# Allegro board LAY_90818_C.brd (continued)
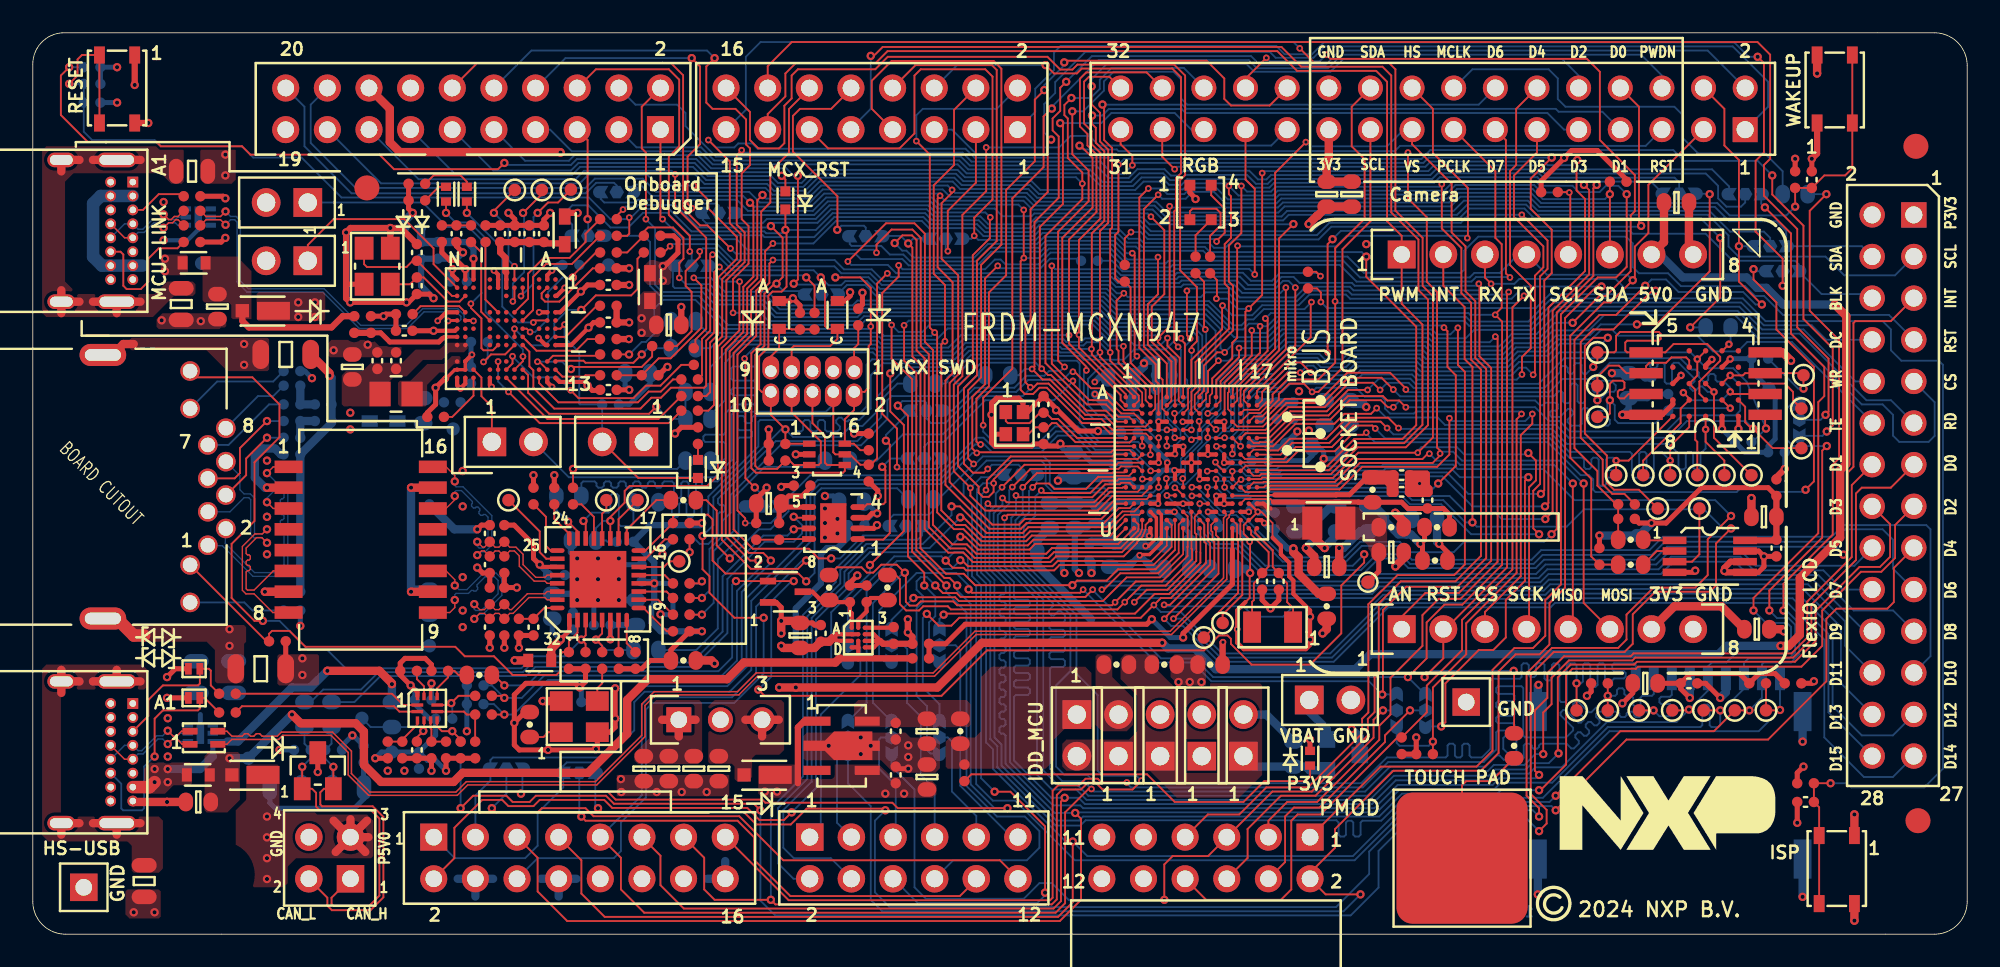
[diagram p0: board, top side]
## Routing (per net, layer and track width the routed paths; a pad name or vN(x,y) marks a point on that pad's centre or on a via; arc(x,y) is an arc through that point) (continued)
P1_7/ENET_TXD1: length 3.1
  TOP w0.112: v2(32.65,25.17) 33.23,24.59 U9.23
  BOTTOM w0.112: R162.1 31.94,25.88 v2(32.65,25.17)
P1_7/SMARTDMA_LCD_D3_CAMERA_D3: length 96.4
  TOP w0.102: U1.A2 67.17,32.8 66.61,33.36
  TOP w0.112: v2(64.61,49.95) 64.61,49.44 64.84,49.2 64.84,48.29 65.36,47.77 65.36,43.52 64.6,42.76 64.6,35.73 v1(64.58,35.71) 64.6,35.68 64.6,35.37 66.61,33.36
  BOTTOM w0.112: v2(64.61,49.95) 65.24,49.95 65.63,50.35 70.08,50.35 70.32,50.11 92.39,50.11 93.41,49.09 J9.9 ; R162.2 33.46,27.52 33.57,27.63 34.27,27.63 34.39,27.52 34.39,27.36 34.5,27.25 34.72,27.25 34.83,27.36 34.83,27.52 34.94,27.63 35.17,27.63 35.28,27.52 35.28,27.36 35.39,27.25 35.62,27.25 35.73,27.36 35.73,27.52 35.84,27.63 36.06,27.63 36.17,27.52 36.17,27.36 36.29,27.25 36.51,27.25 36.62,27.36 36.62,27.52 36.73,27.63 36.96,27.63 37.07,27.52 37.07,27.36 37.18,27.25 37.4,27.25 37.52,27.36 37.52,27.52 37.63,27.63 37.85,27.63 37.96,27.52 37.96,27.36 38.07,27.25 38.3,27.25 38.41,27.36 38.41,27.52 38.52,27.63 39,27.63 39.11,27.52 39.11,26.72 39.22,26.61 39.44,26.61 39.56,26.72 39.56,27.52 39.67,27.63 39.89,27.63 40,27.52 40,26.72 40.12,26.61 40.34,26.61 40.45,26.72 40.45,27.52 40.56,27.63 40.71,27.63 40.82,27.52 40.82,27.36 40.93,27.25 41.16,27.25 41.27,27.36 41.27,27.52 41.38,27.63 41.77,27.63 42.99,28.85 42.99,30.19 43.1,30.3 43.77,30.3 43.88,30.42 43.88,30.64 43.77,30.75 43.1,30.75 42.99,30.86 42.99,31.52 43.1,31.63 43.32,31.63 43.43,31.52 43.43,31.29 43.54,31.18 43.76,31.18 43.87,31.29 43.87,31.52 43.99,31.63 48.64,31.63 48.83,31.82 50.48,31.82 50.86,32.2 50.86,34.74 51.2,35.07 56.24,35.07 57,35.84 62.67,35.84 62.79,35.71 64.57,35.71 v1(64.58,35.71)
P1_8/FC4_P0_UART_RXD_MCULINK: length 48.2
  TOP w0.112: U1.A1 66.67,32.94 63.82,35.8 63.82,36.57 v1(63.82,36.57) 63.82,42.36 65.12,43.67 65.12,47.67 64.59,48.2 64.59,49 64.13,49.46 64.13,52.02 64.43,52.32 65.67,52.32 J9.32
  BOTTOM w0.112: v1(63.82,36.57) 63.43,36.96 55.81,36.96 55.12,36.27 51.83,36.27 51.64,36.46 42.04,36.46 41.34,35.75 R173.2
P1_9/FC4_P1_UART_TXD_MCULINK: length 53.7
  TOP w0.112: U1.B1 66.36,32.59 66.36,32.9 63.21,36.04 v1(63.21,36.55) 63.21,42.39 64.88,44.06 64.88,47.57 64.34,48.12 64.34,48.82 63.87,49.29 63.87,52.2 64.26,52.58 67.95,52.58 J9.30
  BOTTOM w0.112: v1(63.21,36.55) 63.21,36.55 56.61,36.55 55.85,35.79 51.63,35.79 51.44,35.98 43.34,35.98 42.23,34.87 42.23,32.58 41.34,31.69 R172.2
P1_10/CAN0_TXD: length 10.3
  TOP w0.112: v2(52.04,30.11) 52.28,29.87 52.28,24.47 51.88,24.08 50.73,24.08 50.69,24.11 U10.1
  BOTTOM w0.112: SJ16.1 52.04,30.46 v2(52.04,30.11)
P1_10/SMARTDMA_LCD_D6_CAMERA_D6: length 54.6
  TOP w0.112: v1(62.94,34.61) 62.93,34.61 62.55,34.99 62.55,42.87 64.41,44.73 64.41,46.59 63.41,47.59 63.41,50.21 v2(63.41,50.21)
  BOTTOM w0.112: v2(63.41,50.21) 64.08,50.21 65.34,51.47 65.34,52.03 65.93,52.62 69.59,52.62 70.04,52.17 70.04,50.99 70.42,50.61 88.2,50.61 J9.14 ; SJ16.3 56.07,31.94 57.47,33.34 59.88,33.34 60.61,34.07 61.7,34.07 62,34.37 62.69,34.37 62.93,34.61 v1(62.94,34.61)
P1_10/TSI0_CH19-HDR: length 35.7
  TOP w0.102: U1.C3 67.47,31.98 66.58,31.98 65.85,32.71
  TOP w0.112: v2(54.38,21.28) 54.38,22.06 53.39,23.05 53.39,31.63 v2(52.77,32.25) ; v1(63.45,34.32) 63.55,34.32 64.55,33.31 65.24,33.31 65.85,32.71
  BOTTOM w0.112: v1(63.45,34.32) 63.32,34.32 62.82,33.82 60.72,33.82 59.98,33.09 57.57,33.09 55.67,31.18 54.8,31.18 54.51,31.48 SJ16.2 54.51,32.42 54.4,32.53 53.05,32.53 v2(52.77,32.25) ; SJ20.3 54.85,16.65 54.67,16.83 54.67,19.03 55.05,19.41 55.05,20.6 v2(54.38,21.28)
P1_11: length 42.6
  TOP w0.102: 65.85,32.33 66.4,31.77 67.17,31.77 U1.D3
  TOP w0.112: v1(78.55,40.15) 78.28,40.42 R169.2 ; 65.85,32.33 65.59,32.58 64.67,32.58 64.66,32.59 64.44,32.59 63.45,33.58 v1(63.45,33.76) 63.21,33.76 62.16,34.81 v1(62.16,40.78)
  BOTTOM w0.112: v1(78.55,40.15) 78.36,40.34 76.07,40.34 75.59,39.87 74.31,39.87 73.82,40.36 69.81,40.36 69.66,40.21 66.37,40.21 66.01,40.57 62.37,40.57 v1(62.16,40.78) ; SJ26.2 54.38,29.75 54.67,30.04 55.56,30.04 58.1,32.58 62.3,32.58 63.45,33.73 v1(63.45,33.76)
P1_11/CAN0_RXD: length 5.9
  TOP w0.112: v2(51.81,28.52) 52.01,28.32 52.01,26.36 51.89,26.24 50.89,26.24 50.72,26.06 U10.4
  BOTTOM w0.112: SJ26.1 52.32,29.02 v2(51.81,28.52)
P1_11/I3C1_PUR: length 40.1
  TOP w0.112: v1(78.57,38.58) 78.57,39.16 78.33,39.4 R169.1 ; R53.1 97.09,26.86 96.35,26.86 95.76,27.45 95.76,28.95 94.42,30.29 94.42,36.14 95.19,36.9 96.42,36.9 98.78,39.26 v2(99,39.26)
  BOTTOM w0.112: v1(78.57,38.58) 78.95,38.2 91.69,38.2 92.54,39.05 98.79,39.05 v2(99,39.26)
P1_11/SMARTDMA_LCD_D7_CAMERA_D7: length 64.7
  TOP w0.112: J9.13 89.86,48.45 89.86,40.32 v1(90.11,40.07) ; v1(52.82,40.81) 52.82,40.12 51.82,39.12 51.82,31.75 52.72,30.85 v1(52.72,28.5)
  BOTTOM w0.112: v1(90.11,40.07) 90.08,40.1 88.04,40.1 87.76,39.82 80.75,39.82 79.73,40.83 69.53,40.83 69.38,40.69 66.57,40.69 65.67,41.59 62.09,41.59 61.37,40.87 59.34,40.87 59.04,41.17 58.69,41.17 58.09,40.57 53.06,40.57 v1(52.82,40.81) ; v1(52.72,28.5) 52.83,28.39 55.18,28.39 55.36,28.57 SJ26.3
P1_12/SMARTDMA_LCD_D8: length 75.1
  TOP w0.102: 65.85,31.94 66.23,31.56 66.88,31.56 U1.D2
  TOP w0.112: v2(63.36,51.02) 62.93,50.59 62.93,49.98 63.13,49.77 63.13,47.36 64.02,46.47 v1(64.02,45.8) 64.02,44.85 61.77,42.6 61.77,34.85 64.3,32.33 65.47,32.33 65.85,31.94
  BOTTOM w0.112: J9.28 70.21,52.86 65.81,52.86 65.09,52.14 65.09,51.58 64.53,51.02 v2(63.36,51.02) ; J2.11 28.08,46.6 32.83,46.6 33.29,47.06 40.38,47.06 41.18,46.25 45.04,46.25 45.46,45.84 46.9,45.84 47.69,46.64 56.41,46.64 56.86,46.19 63.63,46.19 v1(64.02,45.8)
P1_13/ENET_RXDV/MODE2: length 21.7
  TOP w0.112: R75.1 v2(40.07,23.31)
  BOTTOM w0.112: R163.1 52.74,33.6 51.75,32.61 51.75,31.55 50.29,30.09 45.32,30.09 41.79,26.56 41.79,26.31 41.91,26.19 42.11,26.19 42.23,26.08 42.23,25.86 42.11,25.75 41.91,25.75 41.79,25.64 41.79,24.4 41.21,23.82 40.68,23.82 40.4,24.1 R75.1 v2(40.07,23.31)
P1_13/SMARTDMA_LCD_D9: length 39.5
  TOP w0.102: 65.85,31.56 66.14,31.27 U1.D1
  TOP w0.112: v2(62.67,49.49) 62.84,49.32 62.84,44.55 61.43,43.15 61.43,34.61 v1(61.54,34.5) 61.93,34.11 62.12,34.11 64.29,31.94 65.47,31.94 65.85,31.56
  BOTTOM w0.112: J9.27 70.67,49.09 69.66,50.11 65.8,50.11 65.18,49.49 v2(62.67,49.49) ; v1(61.54,34.5) 61.17,34.87 57.85,34.87 56.58,33.6 56.35,33.6 56.24,33.71 56.24,33.99 56.13,34.1 55.91,34.1 55.79,33.99 55.79,33.71 55.68,33.6 R163.2
P1_14/ENET_RXD0/MODE0: length 27.7
  TOP w0.112: R79.1 v2(40.82,20.51)
  BOTTOM w0.112: R164.1 57.59,34.1 56.32,32.83 52.39,32.83 52.13,32.58 52.13,31.44 50.53,29.83 45.6,29.83 42.57,26.81 42.57,25.72 42.07,25.23 42.07,24.3 41.28,23.5 41.28,20.98 v2(40.82,20.51) R79.1
P1_14/SMARTDMA_LCD_D10: length 72.6
  TOP w0.102: U1.D4 67.88,30.97 66.06,30.97 65.85,31.18
  TOP w0.112: v2(63.04,52.01) 62.67,51.65 62.67,50.23 62.21,49.77 62.21,49.05 62.58,48.67 62.58,44.93 61.1,43.46 61.1,34.63 v1(60.96,34.48) 61.59,33.85 62.05,33.85 64.2,31.69 65.34,31.69 65.85,31.18
  BOTTOM w0.112: v2(63.04,52.01) 64.6,53.58 74.32,53.58 74.84,53.05 78.87,53.05 79.73,53.92 102.17,53.92 J9.2 ; R164.2 60.13,34.1 60.51,34.48 v1(60.96,34.48)
P1_15/ENET_RXD1/MODE1: length 15.9
  TOP w0.112: R80.1 v2(40.82,19.5)
  BOTTOM w0.112: R80.1 v2(40.82,19.5) 41.53,20.22 41.53,23.38 42.81,24.65 42.81,26.68 44.64,28.52 47.94,28.52 R165.1
P1_15/SMARTDMA_LCD_D11: length 90.4
  TOP w0.102: U1.E4 65.88,30.77 65.85,30.8
  TOP w0.112: v2(62.12,48.48) 61.91,48.27 61.91,45.28 60.86,44.23 60.86,37.47 60.54,37.15 60.54,33.68 v1(60.85,33.37) 61.05,33.37 61.28,33.6 61.96,33.6 64.12,31.44 65.19,31.44 65.83,30.8 65.85,30.8
  BOTTOM w0.112: J9.1 105.85,50.49 105.85,52.01 103.69,54.17 78.82,54.17 78.12,53.48 75.81,53.48 75.46,53.83 64.2,53.83 62.37,51.99 62.37,51.32 61.7,50.65 61.7,48.9 v2(62.12,48.48) ; v1(60.85,33.37) 60.85,33.3 60.39,32.83 57.85,32.83 55.51,30.5 53.08,30.5 51.48,28.9 R165.2
P1_16/I3C1_SDA: length 85.6
  TOP w0.102: U1.F6 v1(69.17,29.79)
  TOP w0.112: v1(70.6,36.35) 70.4,36.54 v1(70.4,39.26) ; 101.92,51.63 103.19,50.36 103.19,48.12 104.08,47.24 v2(104.08,41.98) 104.08,39.82 v2(105.47,38.42) ; R55.1 R52.1 R53.2 96.58,26.23 95.44,27.37 95.44,28.26 94.04,29.66 94.04,36.26 95.57,37.79 96.58,37.79 v2(98.36,39.56) ; v1(88.96,39.68) 88.96,39.69 88.58,40.06 J5.3
  BOTTOM w0.102: v1(69.17,29.79) 69.66,29.79 70.01,30.14 70.01,30.73 69.23,31.52 69.23,31.96 69.59,32.33 69.95,32.33 70.42,32.8 70.42,33.8
  BOTTOM w0.112: 70.42,33.8 70.28,33.95 70.28,35.87 70.6,36.19 v1(70.6,36.35) ; SJ14.3 v2(104.08,41.98) ; v2(105.47,38.42) 105.09,38.42 104.33,39.18 100.39,39.18 99.63,39.95 98.74,39.95 v2(98.36,39.56) 98.23,39.44 97.09,39.44 96.55,39.98 90.67,39.98 90.38,39.68 v1(88.96,39.68) 88.56,39.28 80.56,39.28 80.34,39.5 77.66,39.5 77.01,38.85 73.63,38.85 73.08,39.4 70.55,39.4 v1(70.4,39.26)
P1_17/I3C1_SCL: length 119.3
  TOP w0.102: 65.85,30.55 67.9,30.55 U1.F4
  TOP w0.112: 101.92,49.09 98.55,45.72 98.55,42.78 97.73,41.95 97.73,40.03 v2(97.6,39.9) 96.25,38.55 95.83,38.55 93.79,36.51 93.79,29.07 95.07,27.79 95.07,23.05 95.57,22.55 R56.1 ; v1(60.45,44.19) 60.45,41.26 v1(60.45,41.26) 60.26,41.06 60.26,33.21 60.51,32.96 61.02,32.96 61.4,33.34 61.86,33.34 64.02,31.18 65.09,31.18 65.72,30.55 65.85,30.55
  BOTTOM w0.112: SJ15.3 34.64,44.86 34.86,44.64 36.74,44.64 36.91,44.81 42.95,44.81 43.62,44.14 47.58,44.14 48.4,44.95 54.86,44.95 55.29,44.51 60.13,44.51 v1(60.45,44.19) ; v2(97.6,39.9) 97.26,40.24 92.36,40.24 J5.4 90.62,41.47 89.49,40.35 87.93,40.35 87.65,40.07 80.96,40.07 79.95,41.09 69.28,41.09 69.11,40.93 66.67,40.93 65.77,41.83 61.99,41.83 61.42,41.26 v1(60.45,41.26)
P1_18/SMARTDMA_LCD_D14_CAMERA_PDOWN: length 74
  TOP w0.102: U1.G4 v1(68.17,29.25)
  TOP w0.112: v2(62.16,50.37) 62.13,50.37 61.66,49.9 61.66,46.8 59.75,44.9 59.75,34.51 57.97,32.73 v1(57.97,31.06)
  BOTTOM w0.112: v2(62.16,50.37) 62.16,50.48 65.02,53.34 74.17,53.34 74.68,52.84 79.01,52.84 79.84,53.66 98.11,53.66 99.38,52.39 J9.6 ; v1(68.17,29.25) 67.69,29.25 67.15,29.79 64.94,29.79 63.74,30.98 62.36,30.98 61.29,29.91 58.73,29.91 57.97,30.67 v1(57.97,31.06)
P1_19/SMARTDMA_LCD_D15_CAMERA_RST: length 59.9
  TOP w0.102: U1.G5 v1(68.67,30.29)
  TOP w0.112: v1(64.27,34.4) 64.27,34.63 62.8,36.1 62.8,42.49 64.65,44.33 64.65,47.37 63.9,48.11 v2(63.85,48.11)
  BOTTOM w0.112: v1(68.67,30.29) 68.46,30.29 67.32,31.44 64.71,31.44 64.12,32.03 64.12,34.25 v1(64.27,34.4) ; v2(63.85,48.11) 64.08,47.88 66.13,47.88 66.23,47.78 83.08,47.78 83.4,48.1 98.39,48.1 J9.5
P1_20/ENET_MDC: length 36.3
  TOP w0.102: U1.K5 v1(68.19,28.27)
  TOP w0.112: v2(42.52,22.93) 41.72,23.73 41.72,25.85 41.08,26.48 R191.1
  BOTTOM w0.112: v2(42.52,22.93) 44.29,24.71 45,24.71 46.1,25.8 46.1,26.67 47.42,28 55.23,28 57.53,30.29 57.99,30.29 58.63,29.66 61.4,29.66 62.41,30.67 63.69,30.67 64.81,29.56 67.06,29.56 68.19,28.43 v1(68.19,28.27)
P1_21/ARD_D5: length 58.3
  TOP w0.112: U1.L5 v1(68.67,27.27) ; v1(57.39,28.69) 57.05,29.03 57.05,33.18 57.85,33.98 57.85,40.83 59.09,42.07 59.09,52.8 58.61,53.28 52.39,53.28 51.18,52.07 51.18,50.36 J1.7
  BOTTOM w0.112: v1(68.67,27.27) 68.67,27.27 68.35,26.95 65.63,26.95 65.38,27.21 62.34,27.21 62.04,27.51 62.04,28.77 61.66,29.15 57.95,29.15 57.49,28.69 v1(57.39,28.69) 55.24,26.53 R166.2 54.93,25.85 54.67,25.59 52.51,25.59 52.3,25.38 SJ3.1
P1_21/ENET_MDIO: length 26.1
  TOP w0.112: v2(47.18,21.53) 46.7,22.01 42.26,22.01 41.46,22.8 41.46,25.32 41.18,25.59 39.18,25.59 39.05,25.47 R155.2 37.37,23.41 U9.16
  BOTTOM w0.112: R166.1 52.73,27.21 48.11,27.21 47.69,26.79 47.69,22.04 v2(47.18,21.53)
P1_22/SMARTDMA_LCD_DC: length 102.4
  TOP w0.102: U1.L4 v1(67.69,27.77)
  TOP w0.112: v1(57.82,29.88) 57.74,29.88 57.56,30.06 57.56,32.68 58.32,33.44 58.32,39.15 59.38,40.21 59.38,45.41 61.12,47.16 61.12,50.92 v2(61.7,51.5) ; J9.24 75.45,50.56 73.09,50.56 72.68,50.97 72.68,52.21 71.6,53.3 63.02,53.3 v2(62.92,53.19)
  BOTTOM w0.112: v2(61.7,51.5) 61.7,51.8 62.92,53.02 v2(62.92,53.19) ; J3.3 27,8.46 27.91,9.38 SJ9.3 27.91,10.62 28.07,10.78 34.55,10.78 36.21,12.44 36.21,14.37 36.97,15.14 42.36,15.14 43.54,16.31 43.54,20.51 47.18,24.15 47.18,27.01 47.88,27.72 55.31,27.72 57.48,29.88 v1(57.82,29.88) 58.05,29.88 58.52,29.4 61.5,29.4 62.52,30.42 63.56,30.42 64.65,29.33 66.96,29.33 67.69,28.61 v1(67.69,27.77)
P1_23/ARD_D3: length 56.2
  TOP w0.102: U1.M4 67.65,26.74 65.85,26.74
  TOP w0.112: 65.85,26.74 64.96,25.85 58.1,25.85 57.19,26.76 v1(57.19,27.23) 57.19,27.24 56.18,28.25 56.18,33.53 56.7,34.05 56.7,43.88 58.16,45.34 v1(58.16,48)
  BOTTOM w0.112: SJ1.1 58.51,28.03 58.36,27.88 57.84,27.88 v1(57.19,27.23) ; J9.23 75.55,48.12 65.04,48.12 64.45,48.71 63.31,48.71 62.6,48 v1(58.16,48)
P2_0/SMARTDMA_LCD_WR: length 19.1
  TOP w0.112: v1(74.54,40.25) 74.54,45.48 73.98,46.04 J9.25
  BOTTOM w0.112: R167.1 65.83,41.09 66.47,40.45 69.56,40.45 69.71,40.6 74.2,40.6 v1(74.54,40.25)
P2_0/TRIG_IN5-MC_ENC_B: length 78.4
  TOP w0.102: U1.H2 66.9,29.54 65.92,29.54 65.85,29.47
  TOP w0.112: v1(58.86,40.78) 58.09,40 58.09,33.56 57.31,32.78 57.31,29.64 v1(57.58,29.36) 57.62,29.41 65.78,29.41 65.85,29.47
  BOTTOM w0.112: v1(57.58,29.36) 57.32,29.36 55.42,27.46 47.99,27.46 47.43,26.91 47.43,23.94 43.83,20.34 43.83,16.12 42.5,14.79 37.32,14.79 36.69,14.16 36.69,12.44 34.73,10.48 32.57,10.48 32.36,10.27 SJ8.3 32.36,8.96 30.8,7.4 30.8,5.4 30.03,4.64 25.74,4.64 J3.1 ; R167.2 63.82,41.22 62.05,41.22 61.47,40.63 59.01,40.63 v1(58.86,40.78)
P2_1/SDHC0_CD_B: length 87.1
  TOP w0.102: 65.85,29.15 65.97,29.27 U1.H1
  TOP w0.112: v2(106.58,13.68) 106.55,13.66 TP27.1 R57.2 ; v1(58.14,27.1) 58.2,27.16 58.2,27.69 59.66,29.15 65.85,29.15 65.85,29.15
  BOTTOM w0.112: v1(58.14,27.1) 57.85,26.81 57.85,22.06 58.41,21.5 58.41,11.9 58.84,11.47 58.84,10.19 62.39,6.63 63.9,6.63 64.22,6.95 79.52,6.95 79.66,6.81 79.66,6.07 79.77,5.96 79.99,5.96 80.1,6.07 80.1,6.81 80.21,6.93 80.44,6.93 80.55,6.81 80.55,6.07 80.66,5.96 80.89,5.96 81,6.07 81,6.81 81.11,6.93 82.26,6.93 83.65,8.32 92.12,8.32 96.18,12.39 105.28,12.39 v2(106.58,13.68) J12.9
P2_2/CAMERA_CLKIN: length 26.1
  BOTTOM w0.112: R168.1 106.74,46.55 105.65,47.64 101.59,47.64 100.67,48.56 100.67,49.95 100.14,50.49 93.49,50.49 93.03,50.95 93.03,52.21 92.47,52.77 87.82,52.77 J9.16
P2_2/PWM1_A2: length 195.8
  TOP w0.102: U1.H3 67.4,29 66.08,29 65.98,28.9 65.85,28.9
  TOP w0.112: v2(104.71,13.66) TP5.1 102.55,12.39 96.84,12.39 v2(92.9,8.45) ; J3.7 32.08,5.9 33.46,4.51 33.46,2.48 34.89,1.06 62.54,1.06 63.44,1.95 v2(63.44,5.66) ; v2(109.41,45.15) 108.39,44.14 108.39,38.04 110.19,36.25 110.19,29.04 109.8,28.65 109.8,24.38 106.79,21.38 v2(106.79,19.75) ; 65.85,28.9 59.76,28.9 58.61,27.75 v1(58.61,27.51) 58.61,26.98 58.31,26.69 57.95,26.69 57.69,26.94 57.69,27.31 56.44,28.57 56.44,33.42 57.34,34.33 57.34,41.43 58.38,42.47 58.38,43.71 v1(58.41,43.74)
  BOTTOM w0.112: SJ7.3 40.87,43.59 41.08,43.37 44.51,43.37 44.78,43.64 47.77,43.64 48.59,44.47 54.63,44.47 55.06,44.04 58.11,44.04 v1(58.41,43.74) ; R168.2 v2(109.41,45.15) ; v2(104.71,13.66) 105.48,14.43 J12.8 105.48,16.47 105.59,16.58 107.25,16.58 107.76,17.09 107.76,18.97 106.97,19.75 v2(106.79,19.75) ; v1(58.61,27.51) 57.96,27.51 57.6,27.14 57.6,21.95 58.15,21.39 58.15,11.7 58.58,11.27 58.58,10.08 63.01,5.66 v2(63.44,5.66) 64.32,4.77 80.53,4.77 83.83,8.07 92.52,8.07 v2(92.9,8.45)
P2_3/PWM1_B2: length 154.4
  TOP w0.102: U1.J3 66.23,28.77 66.1,28.64 65.85,28.64
  TOP w0.112: v2(109.43,29.79) 109.16,29.51 109.16,24.2 105.93,20.97 v2(105.93,19.75) ; J3.5 30.8,4.67 30.8,2.61 32.6,0.8 62.65,0.8 63.94,2.1 63.94,7.04 v2(63.59,7.4) ; v1(59.12,27.27) 60.5,28.64 65.85,28.64 ; TP4.1 v2(102.93,13.66)
  BOTTOM w0.112: SJ4.3 107.29,32.36 107,32.07 107,30.17 107.38,29.79 v2(109.43,29.79) ; v1(59.12,27.27) 58.74,26.89 58.74,26.17 58.36,25.79 58.36,22.27 59.34,21.28 59.34,20.85 59.23,20.73 59.08,20.73 58.96,20.62 58.96,20.4 59.08,20.29 59.23,20.29 59.34,20.18 59.34,19.95 59.23,19.84 59.08,19.84 58.96,19.73 58.96,19.51 59.08,19.39 59.23,19.39 59.34,19.28 59.34,19.06 59.23,18.95 59.08,18.95 58.96,18.83 58.96,18.61 59.08,18.5 59.23,18.5 59.34,18.39 59.34,18.16 59.23,18.05 59.08,18.05 58.96,17.94 58.96,17.72 59.08,17.61 59.23,17.61 59.34,17.49 59.34,17.27 59.23,17.16 59.08,17.16 58.96,17.05 58.96,16.82 59.08,16.71 59.23,16.71 59.34,16.6 59.34,16.38 59.23,16.26 59.08,16.26 58.96,16.15 58.96,15.93 59.08,15.82 59.23,15.82 59.34,15.71 59.34,15.48 59.23,15.37 59.08,15.37 58.96,15.26 58.96,15.03 59.08,14.92 59.23,14.92 59.34,14.81 59.34,14.59 59.23,14.48 59.08,14.48 58.96,14.36 58.96,14.14 59.08,14.03 59.23,14.03 59.34,13.92 59.34,13.69 59.23,13.58 59.08,13.58 58.96,13.47 58.96,13.25 59.08,13.14 59.23,13.14 59.34,13.02 59.34,12.8 59.23,12.69 59.08,12.69 58.96,12.58 58.96,12.35 59.08,12.24 59.23,12.24 59.34,12.13 59.34,10.4 62.34,7.4 v2(63.59,7.4) 63.62,7.43 81.98,7.43 83.37,8.83 89.13,8.83 89.55,9.25 92.68,9.25 96.08,12.64 101.73,12.64 101.84,12.75 101.84,13.9 101.95,14.01 102.18,14.01 102.29,13.9 102.29,12.75 102.4,12.64 102.82,12.64 102.93,12.75 v2(102.93,13.66) 103.06,13.66 104.38,14.98 J12.7 104.38,16.55 104.66,16.83 107.14,16.83 107.5,17.19 107.5,18.88 107.1,19.29 106.39,19.29 v2(105.93,19.75)
P2_4/PWM1_A1: length 159.8
  TOP w0.102: 65.85,28.39 66.23,28.39 66.38,28.54 67.4,28.54 U1.K3
  TOP w0.112: v2(105.66,44.35) 107.25,42.75 107.25,36.64 109.28,34.61 109.28,32.83 108.92,32.47 108.92,24.47 104.96,20.51 v2(104.96,19.75) ; v2(62.95,8.32) 62.72,8.1 62.72,2.02 62.27,1.57 39.71,1.57 38.29,2.99 38.29,4.79 J3.11 ; v1(59.75,27.28) 60.86,28.39 65.85,28.39 ; v2(101.03,13.71) 100.98,13.66 TP26.1
  BOTTOM w0.112: v2(104.96,19.75) 105.73,18.99 107.01,18.99 107.25,18.75 107.25,17.47 106.87,17.09 103.82,17.09 103.31,16.58 102.42,16.58 102.18,16.33 J12.5 102.18,14.86 v2(101.03,13.71) 100.27,12.95 96.02,12.95 93.26,10.18 91.65,10.18 91.27,9.8 89.35,9.8 88.94,9.39 83.14,9.39 81.69,7.94 64.18,7.94 63.79,8.32 v2(62.95,8.32) 62.14,8.32 59.85,10.61 59.85,14.49 59.96,14.6 60.71,14.6 60.82,14.71 60.82,14.94 60.71,15.05 59.96,15.05 59.85,15.16 59.85,15.38 59.96,15.49 60.71,15.49 60.82,15.61 60.82,15.83 60.71,15.94 59.96,15.94 59.85,16.05 59.85,16.28 59.96,16.39 60.71,16.39 60.82,16.5 60.82,16.72 60.71,16.84 59.96,16.84 59.85,16.95 59.85,17.17 59.96,17.28 60.71,17.28 60.82,17.39 60.82,17.62 60.71,17.73 59.96,17.73 59.85,17.84 59.85,18.06 59.96,18.18 60.71,18.18 60.82,18.29 60.82,18.51 60.71,18.62 59.96,18.62 59.85,18.74 59.85,18.96 59.96,19.07 60.71,19.07 60.82,19.18 60.82,19.41 60.71,19.52 59.96,19.52 59.85,19.63 59.85,19.85 59.96,19.96 60.71,19.96 60.82,20.08 60.82,20.3 60.71,20.41 59.96,20.41 59.85,20.52 59.85,21.49 58.87,22.48 58.87,25.57 59.56,26.27 59.56,27.09 v1(59.75,27.28) ; SJ5.3 105.43,44.57 v2(105.66,44.35)
P2_5/PWM1_B1: length 173.8
  TOP w0.102: U1.K1 66.58,28.18 65.89,28.18 65.85,28.13
  TOP w0.112: v1(60.39,27.27) 61.25,28.13 65.85,28.13 ; J3.9 35.88,4.67 35.88,2.73 37.3,1.31 62.39,1.31 62.97,1.89 62.97,7.44 64.4,8.86 v1(64.58,8.86) ; TP25.1 v2(98.87,13.66) ; v2(47.18,22.8) 46.67,22.29 43.8,22.29 42.03,24.07 42.03,35.76 42.58,36.3 42.58,36.32 43.1,36.84 43.1,39.81 v1(43.12,39.82)
  BOTTOM w0.112: v1(60.39,27.27) 60.39,25.7 59.94,25.26 59.94,22.48 62.24,20.18 62.24,20.02 61.99,19.78 61.99,19.6 62.14,19.45 62.3,19.45 62.55,19.71 62.71,19.71 62.96,19.46 62.96,19.13 62.85,19.02 62.12,19.02 62.01,18.91 62.01,18.68 62.12,18.57 62.85,18.57 62.96,18.46 62.96,18.24 62.85,18.13 62.12,18.13 62.01,18.01 62.01,17.79 62.12,17.68 62.85,17.68 62.96,17.57 62.96,17.34 62.85,17.23 62.12,17.23 62.01,17.12 62.01,16.9 62.12,16.78 62.85,16.78 62.96,16.67 62.96,16.42 62.85,16.31 62.15,16.31 62.04,16.2 62.04,10.1 62.8,9.34 64.1,9.34 v1(64.58,8.86) 64.74,8.7 81.27,8.7 82.8,10.23 88.63,10.23 89.31,10.91 89.47,10.91 89.73,10.65 89.89,10.65 90.05,10.8 90.05,10.96 89.7,11.31 89.7,11.97 89.81,12.08 90.39,12.08 90.5,11.97 90.5,10.77 90.61,10.66 90.84,10.66 90.95,10.77 90.95,11.51 91.06,11.62 91.32,11.62 91.43,11.51 91.43,11.43 91.54,11.32 91.77,11.32 91.88,11.43 91.88,11.51 91.99,11.62 93.56,11.62 93.85,11.34 94.01,11.34 94.31,11.64 94.31,11.79 94.1,12 94.1,12.16 94.25,12.32 94.41,12.32 94.62,12.11 94.78,12.11 94.94,12.27 94.94,12.43 94.73,12.64 94.73,12.79 94.89,12.95 95.04,12.95 95.26,12.74 95.41,12.74 95.57,12.9 95.57,13.06 95.36,13.27 95.36,13.43 95.52,13.58 95.77,13.58 95.88,13.47 95.88,13.36 96,13.25 96.22,13.25 96.33,13.36 96.33,13.47 96.44,13.58 96.67,13.58 96.78,13.47 96.78,13.36 96.89,13.25 97.11,13.25 97.23,13.36 97.23,13.47 97.34,13.58 97.56,13.58 97.67,13.47 97.67,13.36 97.78,13.25 98.01,13.25 98.12,13.36 98.12,13.47 98.23,13.58 98.79,13.58 v2(98.87,13.66) 99.22,13.3 99.87,13.3 99.98,13.41 99.98,13.93 99.87,14.04 99.34,14.04 99.22,14.15 99.22,14.38 99.34,14.49 99.87,14.49 99.98,14.6 J12.3 ; J3.9 34.62,5.95 37.15,8.48 37.15,13.99 37.61,14.45 42.65,14.45 44.12,15.93 44.12,19.99 46.94,22.8 v2(47.18,22.8) ; SJ6.3 41.17,40.76 42.11,39.82 v1(43.12,39.82)
P2_6/PWM1_A0: length 120.3
  TOP w0.102: U1.K2 66.88,27.97 66.04,27.97 65.98,27.91 65.85,27.91
  TOP w0.112: J3.15 42.26,5.92 46.11,2.07 62.06,2.07 62.21,2.23 62.21,8.75 62.55,9.08 63.82,9.08 64.22,9.49 64.96,9.49 65.19,9.26 v1(66.74,9.26) ; TP24.1 v2(96.07,14.55) R54.1 ; v1(60.99,27.27) 61.22,27.5 61.99,27.5 62.32,27.17 64.25,27.17 64.98,27.91 65.85,27.91
  BOTTOM w0.112: SJ1.3 61.24,27.51 v1(60.99,27.27) 60.77,27.04 60.77,25.72 60.2,25.15 60.2,22.58 63.29,19.49 63.29,16.06 62.42,15.18 62.42,10.23 62.93,9.72 64.32,9.72 64.79,9.26 v1(66.74,9.26) 66.74,9.21 66.99,8.96 81.13,8.96 82.68,10.51 88.51,10.51 89.27,11.26 89.27,12.32 89.38,12.43 90.27,12.43 90.38,12.54 90.38,12.76 90.27,12.88 89.38,12.88 89.27,12.99 89.27,13.21 89.38,13.32 90.27,13.32 90.38,13.44 90.38,13.66 90.27,13.77 89.38,13.77 89.27,13.88 89.27,14.11 89.38,14.22 90.27,14.22 90.38,14.33 90.38,14.55 90.27,14.66 89.38,14.66 89.27,14.78 89.27,15.02 89.38,15.13 90.81,15.13 90.92,15.02 90.92,12.12 91.03,12.01 93.53,12.01 93.96,12.44 93.96,12.59 93.19,13.36 93.19,13.52 93.35,13.68 93.51,13.68 94.28,12.91 94.44,12.91 94.6,13.07 94.6,13.23 93.95,13.87 93.95,14.03 94.11,14.18 94.27,14.18 94.91,13.54 95.07,13.54 v2(96.07,14.55) 96.53,14.55 96.64,14.66 96.64,14.89 96.75,15 96.97,15 97.08,14.89 97.08,14.66 97.2,14.55 97.51,14.55 97.62,14.43 97.62,14 97.73,13.89 97.96,13.89 98.07,14 98.07,14.43 98.18,14.55 98.77,14.55 98.88,14.66 J12.2
P2_7/PWM1_B0: length 152.9
  TOP w0.102: U1.L2 66.25,27.77 66.15,27.68 65.85,27.68
  TOP w0.112: v1(61.52,27.07) 61.54,27.07 61.69,26.92 64.5,26.92 65.26,27.68 65.85,27.68 ; v1(67.63,9.37) 67.09,8.83 65.26,8.83 64.84,9.25 64.36,9.25 63.94,8.83 62.8,8.83 62.46,8.5 62.46,2.12 62.16,1.82 45.3,1.82 v2(45.02,2.1) 41.59,2.1 40.96,2.73 40.96,4.67 J3.13 ; TP23.1 v2(94.17,15.31)
  BOTTOM w0.112: v2(45.02,2.1) 45.02,7.67 46.98,9.63 46.98,19.48 48.98,21.49 48.98,22.31 50.74,24.07 53.98,24.07 54.25,24.34 SJ3.3 ; v1(61.52,27.07) 61.15,26.71 61.15,25.53 60.45,24.83 60.45,22.69 63.66,19.47 63.66,15.89 64.96,14.6 64.96,9.97 65.26,9.67 67.33,9.67 v1(67.63,9.37) 67.78,9.21 81.02,9.21 82.6,10.79 86.19,10.79 86.3,10.9 86.3,11.51 86.41,11.62 86.64,11.62 86.75,11.51 86.75,10.9 86.86,10.79 87.08,10.79 87.19,10.9 87.19,11.51 87.31,11.62 87.53,11.62 87.64,11.51 87.64,10.9 87.75,10.79 88.4,10.79 88.92,11.31 88.92,15.48 89.03,15.59 90.7,15.59 90.82,15.7 90.82,16.42 90.93,16.53 91.14,16.53 91.25,16.42 91.25,15.8 91.36,15.69 91.59,15.69 91.7,15.8 91.7,16.42 91.84,16.55 92.1,16.55 92.22,16.44 92.22,15.6 92.33,15.49 92.55,15.49 92.66,15.6 92.66,16.42 92.77,16.53 93.01,16.53 93.12,16.42 93.12,14.28 93.23,14.16 93.46,14.16 93.57,14.28 93.57,16.39 93.71,16.53 94.06,16.53 94.17,16.42 v2(94.17,15.31) 94.45,15.31 94.56,15.42 94.56,16.42 94.67,16.53 94.89,16.53 95.01,16.42 95.01,15.19 95.12,15.08 95.32,15.08 95.45,15.21 95.45,16.42 95.56,16.53 95.79,16.53 95.9,16.42 95.9,15.19 96.01,15.08 96.21,15.08 96.35,15.21 96.35,15.49 96.46,15.6 97.05,15.6 97.17,15.72 97.17,15.94 97.05,16.05 96.46,16.05 96.35,16.16 96.35,16.42 96.46,16.53 97.67,16.53 97.78,16.42 J12.1
P2_8/FXIO_D16-FXIO_HDR: length 93.6
  TOP w0.102: U1.M2 66.9,27.54 66.4,27.54 66.31,27.45 65.85,27.45
  TOP w0.112: v1(59.98,26.77) 60.08,26.66 64.63,26.66 65.42,27.45 65.85,27.45 ; J8.13 113.34,27.25 111.57,27.25 111.21,26.89 111.21,22.83 108.49,20.11 108.49,17.99 107.38,16.88 97.75,16.88 97.58,16.7 93.7,16.7 92.65,15.65 92.65,14.04 92.14,13.53 v2(92.14,10.99)
  BOTTOM w0.112: v2(92.14,10.99) 91.65,10.99 90.99,10.33 89.12,10.33 88.74,9.95 82.91,9.95 81.41,8.45 64.39,8.45 63.75,9.08 62.55,9.08 61.64,9.99 61.64,20.42 59.69,22.37 59.69,25.4 59.98,25.69 v1(59.98,26.77)
P2_9/FXIO_D17-FXIO_HDR: length 94.6
  TOP w0.102: U1.M1 66.51,27.27 66.47,27.23 65.92,27.23
  TOP w0.112: 65.92,27.23 65.63,27.23 64.75,26.36 59.41,26.36 v1(59.15,26.61) ; J8.14 110.96,27.4 110.96,23.02 108.24,20.3 108.24,18.09 107.28,17.13 97.64,17.13 97.47,16.96 93.41,16.96 92.39,15.94 92.39,14.42 91.63,13.66 91.63,9.97 v2(91.88,9.72)
  BOTTOM w0.112: v2(91.88,9.72) 91.68,9.52 89.46,9.52 89.06,9.11 83.26,9.11 81.84,7.69 64.07,7.69 63.9,7.86 62.24,7.86 59.6,10.5 59.6,21.39 58.61,22.37 58.61,25.68 59.15,26.22 v1(59.15,26.61)
P2_10/FXIO_D18-FXIO_HDR: length 97
  TOP w0.102: 66.01,27 67.4,27 U1.M3
  TOP w0.112: v2(91.88,8.79) 91.96,8.79 93.53,10.35 93.53,15.82 93.91,16.2 97.79,16.2 97.91,16.32 107.89,16.32 109.16,17.59 109.16,19.75 111.52,22.12 112.76,22.12 113.6,22.95 113.6,24.97 J8.15 ; 66.01,27 65.72,27 64.82,26.1 58.43,26.1 v1(58.26,26.27)
  BOTTOM w0.112: v1(58.26,26.27) 58.1,26.11 58.1,22.16 58.66,21.6 58.66,12.01 59.09,11.58 59.09,10.29 62.45,6.94 63.83,6.94 64.07,7.18 82.13,7.18 83.53,8.58 89.34,8.58 89.55,8.79 v2(91.88,8.79)
P2_11/FXIO_D19: length 92.2
  TOP w0.102: U1.N4 67.95,26.54 66.26,26.54 66.26,26.54
  TOP w0.112: v1(59.28,25.4) 59.47,25.59 65.09,25.59 66.03,26.54 66.26,26.54 ; J8.16 113.3,25.02 113.3,23.03 112.67,22.41 111.43,22.41 108.75,19.73 108.75,17.88 107.49,16.62 97.85,16.62 97.68,16.45 93.81,16.45 93.03,15.67 93.03,11.08 v2(93.07,11.03)
  BOTTOM w0.112: v1(59.28,25.4) 59.28,22.42 61.26,20.44 61.26,9.74 62.17,8.83 63.65,8.83 64.28,8.2 81.55,8.2 83.03,9.67 88.82,9.67 89.2,10.05 91.07,10.05 91.45,10.44 92.47,10.44 v2(93.07,11.03)
P3_0/FLEXSPI0_A_SS0_B: length 46.5
  TOP w0.102: U1.B17 74.99,32.59 74.99,33.09
  TOP w0.112: v2(105.73,30.85) 105.68,30.9 U8.1 ; TP12.1 101.54,30.04 101.41,30.17 101.41,33.23 U7.C2 101.54,34.09 v3(101.54,35.09) U7.A3 ; v1(77.95,34.28) 77.35,34.88 76.79,34.88 74.99,33.09
  BOTTOM w0.112: v1(77.95,34.28) 78.12,34.1 80.33,34.1 80.88,34.66 84.35,34.66 84.66,34.34 90.09,34.34 90.66,34.92 92.54,34.92 93.13,35.5 101.12,35.5 v3(101.54,35.09) 102.09,34.53 103.72,34.53 104.54,33.72 v2(105.73,30.85) 104.91,30.04 R58.2
